# Allegro board RK3588S_Tablet_Demo_LP4XD200P232SD10H2_V11_20220218.brd (continued)
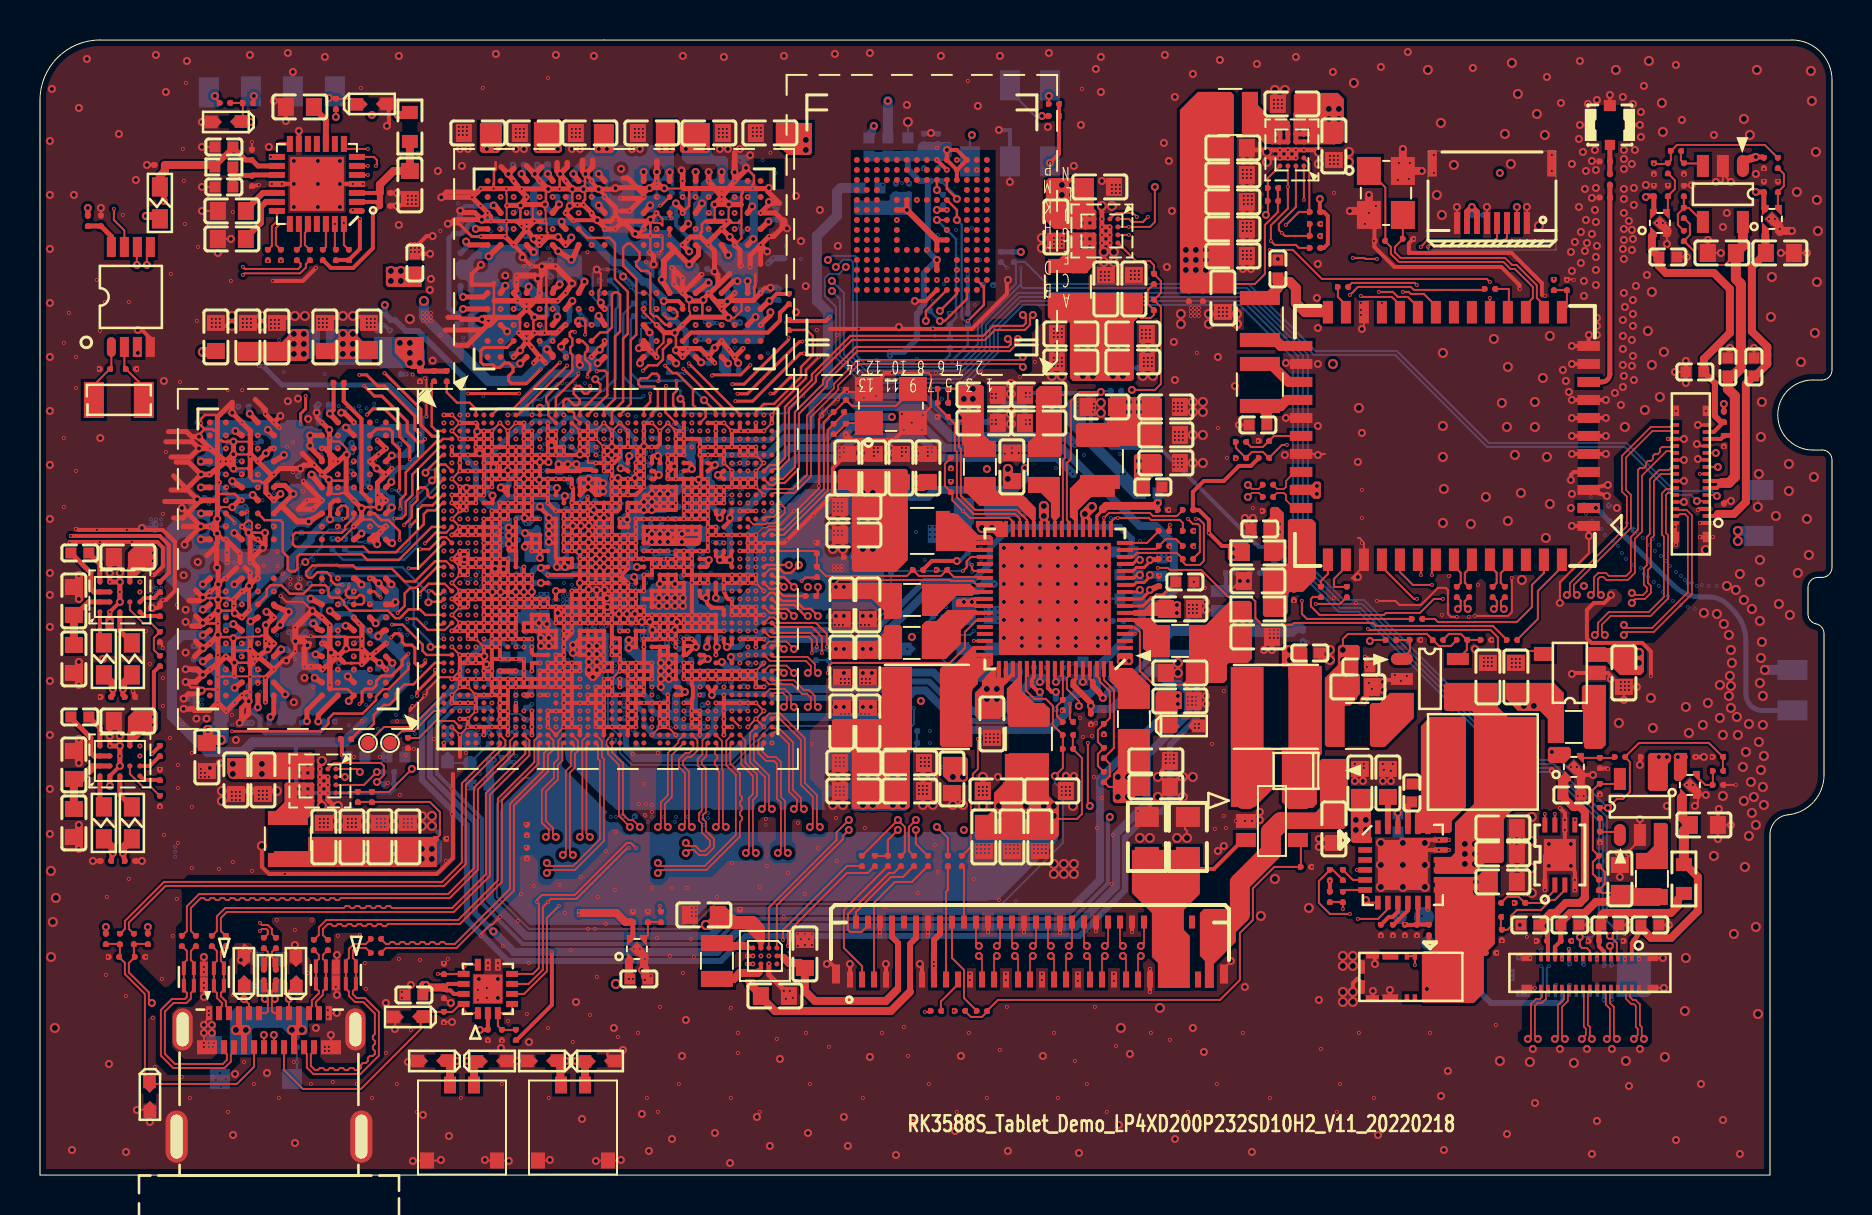
[diagram p0: board, top side]
## Routing (per net, layer and track width the routed paths; a pad name or vN(x,y) marks a point on that pad's centre or on a via; arc(x,y) is an arc through that point) (continued)
MIPI_CSI0_RX_D0N: length 58.9
  TOP w0.084: v5(76.34,29) 76.49,29.15 76.49,29.59 79.34,32.44 79.34,33.92 79.09,34.17 79.09,35.96 80.54,37.41 81.5,37.41 81.59,37.5 J4600.16 ; U1000.AL41 36.49,25.7 38.29,25.7 38.54,25.45 38.54,25.25 v5(38.39,25.1)
  S08 w0.064: v5(76.34,29) 76.49,29.15 76.49,29.3 76.39,29.4 75.73,29.4 75.39,29.07 75.39,28.02 69.53,22.15 42.59,22.15 41.99,22.75 41.99,24.1 41.66,24.44 38.76,24.44 38.49,24.7 38.49,25 v5(38.39,25.1)
MIPI_CSI0_RX_D0P: length 58.8
  TOP w0.084: U1000.AL42 36.64,25.95 36.64,25.93 36.66,25.91 38.38,25.91 38.75,25.54 38.75,25.25 v5(38.89,25.1) ; v5(76.84,29) 76.69,29.15 76.69,29.5 79.54,32.35 79.54,34.01 79.3,34.25 79.3,35.87 80.63,37.2 81.54,37.2 81.59,37.15 J4600.17
  S08 w0.064: v5(76.84,29) 76.71,29.14 76.71,29.39 76.48,29.62 75.64,29.62 75.18,29.16 75.18,28.11 69.44,22.37 42.68,22.37 42.21,22.84 42.21,24.19 41.73,24.67 41.33,24.67 41.24,24.75 41.09,24.75 40.99,24.65 40.84,24.65 40.74,24.75 40.59,24.75 40.49,24.65 40.34,24.65 40.24,24.75 40.09,24.75 39.99,24.65 39.84,24.65 39.74,24.75 39.59,24.75 39.49,24.65 39.34,24.65 39.24,24.75 39.09,24.75 38.99,24.65 38.85,24.65 38.71,24.79 38.71,24.92 v5(38.89,25.1)
MIPI_CSI0_RX_D1N: length 59.5
  TOP w0.084: v5(77.54,29) 77.69,29.15 77.69,29.89 77.91,30.1 78.29,30.1 78.44,29.96 79.31,29.96 79.54,30.19 79.54,31.9 79.89,32.25 79.89,35.25 79.99,35.35 80.19,35.35 80.29,35.45 80.29,35.6 80.39,35.7 80.54,35.7 80.64,35.8 80.64,35.95 80.74,36.05 80.89,36.05 80.99,36.15 80.99,36.3 81.09,36.4 81.7,36.4 J4600.19 ; U1000.AK42 36.67,26.47 37.02,26.47 v5(37.19,26.3)
  S08 w0.064: v5(37.19,26.3) 37.34,26.15 37.34,25.75 37.54,25.55 42.04,25.55 42.69,24.9 42.69,23.1 43.04,22.75 69.25,22.75 74.81,28.31 74.81,29.41 75.55,30.15 77.34,30.15 77.68,29.81 77.68,29.14 v5(77.54,29)
MIPI_CSI0_RX_D1P: length 59.9
  TOP w0.084: v5(78.04,29) 77.9,29.15 77.9,29.8 78,29.9 78.17,29.9 78.32,29.75 79.39,29.75 79.74,30.1 79.74,31.82 80.1,32.17 80.1,34.97 81.32,36.19 81.5,36.19 81.59,36.1 J4600.20 ; U1000.AK41 36.47,26.68 37.32,26.68 v5(37.69,26.3)
  S08 w0.064: v5(37.69,26.3) 37.56,26.17 37.56,25.84 37.63,25.77 42.13,25.77 42.91,24.99 42.91,23.19 43.13,22.97 69.16,22.97 74.59,28.4 74.59,29.5 75.46,30.37 77.43,30.37 77.89,29.9 77.89,29.15 v5(78.04,29)
MIPI_CSI0_RX_D2N: length 57.9
  TOP w0.084: v5(37.19,23.4) 37.34,23.55 37.34,23.9 37.14,24.1 36.69,24.1 U1000.AT42 ; J4600.25 81.59,34.35 81.54,34.3 81.31,34.3 81.09,34.09 81.09,32.02 81.19,31.92 81.19,28.9 80.44,28.15 78.44,28.15 77.89,27.6 77.89,27.15 v5(77.74,27)
  S08 w0.064: v5(77.74,27) 77.56,27.19 77.28,27.19 70.43,20.34 62.43,20.34 62.34,20.25 62.19,20.25 62.09,20.35 61.94,20.35 61.84,20.25 61.69,20.25 61.59,20.35 61.44,20.35 61.34,20.25 61.19,20.25 61.09,20.35 60.94,20.35 60.84,20.25 60.69,20.25 60.59,20.35 60.44,20.35 60.34,20.25 60.19,20.25 60.09,20.35 59.94,20.35 59.84,20.25 59.69,20.25 59.59,20.35 59.44,20.35 59.34,20.25 59.19,20.25 59.09,20.35 58.94,20.35 58.84,20.25 58.69,20.25 58.59,20.35 58.44,20.35 58.34,20.25 58.19,20.25 58.09,20.35 41.34,20.35 40.19,21.5 38.29,21.5 37.39,22.4 37.39,23.2 v5(37.19,23.4)
MIPI_CSI0_RX_D2P: length 57.8
  TOP w0.084: v5(37.69,23.4) 37.54,23.55 37.54,23.99 37.23,24.3 36.49,24.3 U1000.AT41 ; J4600.26 81.64,34 81.55,34.1 81.4,34.1 81.3,34 81.3,32.1 81.4,32 81.4,28.82 80.53,27.95 78.53,27.95 78.1,27.52 78.1,27.15 v5(78.24,27)
  S08 w0.064: v5(78.24,27) 77.84,27.4 77.19,27.4 70.36,20.57 41.43,20.57 40.28,21.72 38.38,21.72 37.61,22.49 37.61,23.29 37.6,23.31 v5(37.69,23.4)
MIPI_CSI0_RX_D3N: length 57.8
  TOP w0.084: v5(38.39,23.4) 38.54,23.55 38.54,23.87 38.36,24.05 38.1,24.05 37.61,24.54 36.46,24.54 U1000.AP41 ; v5(79.19,27) 79.34,27.15 80.69,27.15 82.59,29.05 82.59,32.99 82.33,33.25 82.17,33.25 82.17,33.26 81.96,33.26 81.91,33.3 J4600.28
  S08 w0.064: v5(38.39,23.4) 38.58,23.22 38.58,22.46 38.9,22.14 40.54,22.14 41.74,20.94 70.13,20.94 76.98,27.79 78.1,27.79 78.79,27.1 79.09,27.1 v5(79.19,27)
MIPI_CSI0_RX_D3P: length 57.5
  TOP w0.084: v5(79.19,27.5) 79.34,27.36 80.61,27.36 82.39,29.14 82.39,32.9 82.24,33.05 82.06,33.05 82.06,33.05 81.99,33.05 81.89,32.95 J4600.29 ; U1000.AP42 36.66,24.74 37.7,24.74 38.18,24.25 38.44,24.25 38.74,23.95 38.74,23.55 v5(38.89,23.4)
  S08 w0.064: v5(79.19,27.5) 79.04,27.35 78.84,27.35 78.19,28 76.89,28 70.04,21.15 41.83,21.15 40.63,22.35 39.79,22.35 39.69,22.45 39.69,22.8 39.59,22.9 39.44,22.9 39.34,22.8 39.34,22.45 39.24,22.35 38.99,22.35 38.79,22.55 38.79,23.3 v5(38.89,23.4)
MIPI_D/C_PHY0_VREG: length 0.9
  S03 w0.2: v2(32.69,23.9) 32.79,24 v1(32.99,24)
  S08 w0.2: v3(33.09,24) 32.79,24 v2(32.69,23.9)
  BOTTOM w0.1: 33.14,24.03 C1604.1 v3(33.09,24)
MIPI_D/C_PHY1_VREG: length 2.6
  S03 w0.2: v1(30.59,24) 30.59,23.75 v2(30.14,23.3)
  S08 w0.2: v3(29.64,22.25) 29.64,23.05 29.89,23.3 v2(30.14,23.3)
  BOTTOM w0.2: v3(29.64,22.25) 29.82,22.05 C1612.1
MIPI_DPHY0_RX_CLKN: length 57.1
  TOP w0.084: U1000.BA41 35.92,21.73 35.92,21.49 35.92,21.09 36.31,20.7 36.71,20.7 36.84,20.57 36.84,18.82 37.04,18.62 37.04,16.25 v5(36.89,16.1) ; J4700.22 77.14,9.15 77.19,9.11 77.19,7.42 77.29,7.32 77.29,7 v5(77.09,6.8)
  S08 w0.064: v5(36.89,16.1) 37.04,15.95 37.04,15.67 37.31,15.4 49.39,15.4 50.54,14.25 56.37,14.25 58.19,12.43 58.19,9.43 60.34,7.29 71.33,7.29 72.53,8.49 76,8.49 76.33,8.16 76.33,7.95 76.44,7.84 76.66,7.84 76.79,7.7 76.79,7.49 76.9,7.37 77.12,7.37 77.23,7.26 77.23,6.94 v5(77.09,6.8)
MIPI_DPHY0_RX_CLKP: length 56.3
  TOP w0.084: U1000.BB41 36.12,21.53 36.12,21.48 36.12,21.17 36.39,20.9 36.79,20.9 37.05,20.65 37.05,18.9 37.25,18.7 37.25,16.25 v5(37.39,16.1) ; v5(77.59,6.8) 77.49,6.9 77.49,7.4 77.39,7.5 77.39,9.05 77.49,9.15 J4700.23
  S08 w0.064: v5(37.39,16.1) 37.26,15.97 37.26,15.76 37.4,15.62 49.48,15.62 50.63,14.47 56.46,14.47 58.41,12.52 58.41,12.34 58.41,9.52 60.43,7.5 71.24,7.5 72.44,8.7 76.09,8.7 77.45,7.35 77.45,6.95 v5(77.59,6.8)
MIPI_DPHY0_RX_D0N: length 55.4
  TOP w0.084: J4700.16 75.04,9.15 75.09,9.11 75.09,8.89 75.01,8.8 74.79,8.8 74.54,8.55 74.54,6.95 v5(74.39,6.8) ; v5(35.29,16.1) 35.44,16.25 35.44,18.67 35.44,18.67 35.44,18.84 35.64,19.04 35.64,19.96 35.07,20.53 35.07,21.53 U1000.BB38
  S08 w0.064: v5(74.39,6.8) 74.58,6.99 74.58,7.08 74.48,7.19 74.13,7.19 73.97,7.03 73.81,7.03 73.66,7.19 73.41,7.19 72.33,6.1 59.57,6.1 56.99,8.68 56.99,11.85 55.79,13.05 49.99,13.05 48.86,14.19 36.81,14.19 35.44,15.55 35.44,15.95 v5(35.29,16.1)
MIPI_DPHY0_RX_D0P: length 55.7
  TOP w0.084: U1000.BA38 35.27,21.73 35.27,20.62 35.84,20.04 35.84,18.95 35.65,18.76 35.65,16.25 v5(35.79,16.1) ; J4700.17 75.39,9.2 75.29,9.1 75.29,8.8 75.09,8.6 74.88,8.6 74.75,8.47 74.75,6.95 v5(74.89,6.8)
  S08 w0.064: v5(74.89,6.8) 74.8,6.9 74.8,6.9 74.8,7.17 74.57,7.4 73.32,7.4 72.24,6.32 59.66,6.32 57.21,8.77 57.21,11.94 55.88,13.27 50.08,13.27 48.95,14.4 36.9,14.4 35.66,15.64 35.66,15.97 v5(35.79,16.1)
MIPI_DPHY0_RX_D1N: length 56.7
  TOP w0.084: v5(36.09,18.3) 36.24,18.45 36.24,19.9 35.49,20.65 35.49,22.1 U1000.AY40 ; v5(75.74,6.8) 75.89,6.95 75.89,8.49 76.19,8.79 76.19,9.1 76.09,9.2 J4700.19
  S08 w0.064: v5(75.74,6.8) 75.88,6.94 75.88,7.6 75.64,7.84 72.98,7.84 71.83,6.69 59.94,6.69 57.59,9.03 57.59,12.2 56.14,13.65 50.29,13.65 49.16,14.79 37.06,14.79 36.29,15.55 36.29,18.1 v5(36.09,18.3)
MIPI_DPHY0_RX_D1P: length 56.4
  TOP w0.084: J4700.20 76.4,9.26 76.4,8.71 76.1,8.41 76.1,6.95 v5(76.24,6.8) ; U1000.BA40 35.7,21.91 35.7,20.73 36.45,19.98 36.45,18.45 v5(36.59,18.3)
  S08 w0.064: v5(76.24,6.8) 76.09,6.95 76.09,7.69 75.73,8.05 72.89,8.05 71.74,6.9 60.03,6.9 59.91,7.02 59.91,7.23 59.8,7.34 59.59,7.34 59.47,7.46 59.47,7.67 59.36,7.79 59.14,7.79 57.81,9.12 57.81,12.29 56.23,13.87 50.38,13.87 49.25,15 37.15,15 36.51,15.64 36.51,18.19 36.5,18.21 v5(36.59,18.3)
MIPI_DPHY0_RX_D2N: length 57
  TOP w0.084: v5(78.34,6.8) 78.49,6.95 78.49,8.32 78.29,8.52 78.29,9.07 78.19,9.17 J4700.25 ; U1000.BA42 36.72,22.13 36.87,22.13 37.44,21.56 37.44,19.17 37.84,18.77 37.84,18.45 v5(37.69,18.3)
  S08 w0.064: v5(78.34,6.8) 78.48,6.94 78.48,7.41 76.85,9.04 72.08,9.04 70.93,7.89 60.66,7.89 58.78,9.77 58.78,12.77 56.69,14.85 53.16,14.85 52.01,16 38.29,16 37.83,16.46 37.83,18.17 v5(37.69,18.3)
MIPI_DPHY0_RX_D2P: length 57.3
  TOP w0.084: v5(78.84,6.8) 78.7,6.95 78.7,8.4 78.49,8.6 78.49,9.1 78.54,9.15 J4700.26 ; U1000.AY42 36.66,22.33 36.96,22.33 37.65,21.64 37.65,19.25 38.05,18.85 38.05,18.45 v5(38.19,18.3)
  S08 w0.064: v5(38.19,18.3) 38.04,18.15 38.04,16.55 38.38,16.22 52.1,16.22 53.25,15.07 56.78,15.07 58.99,12.86 58.99,12.68 58.99,9.86 60.75,8.1 70.84,8.1 71.99,9.25 76.94,9.25 78.69,7.5 78.69,6.95 v5(78.84,6.8)
MIPI_DPHY0_RX_D3N: length 56.6
  TOP w0.084: v5(38.49,17.4) 38.64,17.55 38.64,18.92 38.04,19.52 38.04,21.76 36.92,22.88 36.67,22.88 U1000.AW42 ; v5(79.69,6.8) 79.88,6.99 79.88,7.31 79.79,7.4 79.79,8.45 79.69,8.55 79.56,8.55 79.29,8.82 79.29,9.11 79.24,9.15 J4700.28
  S08 w0.064: v5(79.69,6.8) 79.79,6.9 79.79,7.65 77.79,9.65 64.96,9.65 62.81,11.8 60.59,11.8 56.94,15.45 53.44,15.45 52.29,16.6 44.24,16.6 44.14,16.5 43.99,16.5 43.89,16.6 43.74,16.6 43.64,16.5 43.49,16.5 43.39,16.6 43.24,16.6 43.14,16.5 42.99,16.5 42.89,16.6 42.74,16.6 42.64,16.5 42.49,16.5 42.39,16.6 42.24,16.6 42.14,16.5 41.99,16.5 41.89,16.6 41.74,16.6 41.64,16.5 41.49,16.5 41.39,16.6 41.24,16.6 41.14,16.5 40.99,16.5 40.89,16.6 38.86,16.6 38.63,16.84 38.63,17.27 v5(38.49,17.4)
MIPI_DPHY0_RX_D3P: length 56.9
  TOP w0.084: v5(80.19,6.8) 80.09,6.91 80.09,7.39 79.99,7.49 79.99,8.54 79.77,8.76 79.64,8.76 79.49,8.9 79.49,9.1 79.59,9.2 J4700.29 ; U1000.AW41 36.47,23.08 37.01,23.08 38.24,21.84 38.24,19.6 38.84,19 38.84,17.55 v5(38.99,17.4)
  S08 w0.064: v5(38.99,17.4) 38.84,17.25 38.84,16.93 38.95,16.82 52.38,16.82 53.53,15.67 57.03,15.67 60.68,12.02 62.9,12.02 65.05,9.87 77.88,9.87 80.01,7.74 80.01,6.99 v5(80.19,6.8)
MIPI_DPHY0_TX_CLKN: length 28.4
  TOP w0.084: U1000.BA34 33.12,21.73 33.12,21.03 32.88,20.8 32.88,20.47 33.09,20.26 33.09,18.23 32.94,18.09 32.94,17.72 33.09,17.57 33.09,17.12 33.49,16.72 33.49,16.45 33.24,16.2 33.03,16.2 32.78,16.45 32.44,16.45 v5(32.29,16.6) ; 48.6,12.65 48.6,11.6 v5(48.74,11.45)
  S08 w0.064: v5(48.74,11.45) 48.69,11.4 48.6,11.4 48.41,11.59 48.41,12.37 48.18,12.6 48.02,12.6 47.86,12.76 47.7,12.76 47.55,12.6 35.98,12.6 32.89,15.69 32.89,16.26 32.7,16.45 32.44,16.45 v5(32.29,16.6)
MIPI_DPHY0_TX_CLKP: length 28.2
  TOP w0.084: J5500.29 48.9,10.8 v5(48.74,10.95) ; v5(32.29,16.1) 32.44,16.25 32.69,16.25 32.94,16 33.33,16 33.7,16.37 33.7,16.8 33.3,17.2 33.3,17.65 33.15,17.8 33.15,18 33.29,18.15 33.29,20.34 33.09,20.55 33.09,20.71 33.32,20.95 33.32,21.53 U1000.BB34
  S08 w0.064: v5(48.74,10.95) 48.19,11.5 48.19,12.28 48.09,12.39 35.89,12.39 32.68,15.6 32.68,16.17 32.61,16.24 32.43,16.24 v5(32.29,16.1)
MIPI_DPHY0_TX_D0N: length 28
  TOP w0.084: J5500.25 47.7,10.81 v5(47.84,10.95) ; v5(30.89,17.4) 31.04,17.55 31.04,18.64 31.39,18.99 31.39,21.09 31.39,21.09 31.39,21.1 31.92,21.63 31.92,21.73 U1000.BA31
  S08 w0.064: v5(47.84,10.95) 47.44,11.36 47.44,11.55 47.2,11.79 35.55,11.79 31.2,16.14 30.49,16.14 30.28,16.35 30.28,16.76 30.49,16.97 30.95,16.97 31.03,17.04 31.03,17.27 v5(30.89,17.4)
MIPI_DPHY0_TX_D0P: length 28
  TOP w0.084: v5(31.39,17.4) 31.24,17.55 31.24,18.55 31.59,18.9 31.59,21 U1000.BB31 ; 48,12.65 48,11.61 v5(47.84,11.45)
  S08 w0.064: v5(47.84,11.45) 47.8,11.4 47.7,11.4 47.65,11.45 47.65,11.64 47.29,12 47.11,12 46.96,12.16 46.78,12.16 46.63,12 46.45,12 46.3,12.16 46.12,12.16 45.96,12 45.78,12 45.63,12.16 45.45,12.16 45.3,12 45.12,12 44.97,12.16 44.79,12.16 44.63,12 44.45,12 44.3,12.16 44.12,12.16 43.97,12 43.79,12 43.64,12.16 43.46,12.16 43.31,12 43.13,12 42.97,12.16 42.79,12.16 42.64,12 35.64,12 31.29,16.35 30.58,16.35 30.49,16.44 30.49,16.67 30.58,16.75 31.04,16.75 31.24,16.95 31.24,17.25 v5(31.39,17.4)
MIPI_DPHY0_TX_D1N: length 27.2
  TOP w0.084: U1000.BB32 32.67,21.53 32.67,21.3 32.47,21.1 32.27,21.1 31.94,20.77 31.94,20.41 32.24,20.1 32.24,17.55 v5(32.09,17.4) ; J5500.31 49.5,10.81 v5(49.64,10.95)
  S08 w0.064: v5(49.64,10.95) 49.09,11.5 49.09,12.2 48.29,13 36.19,13 33.34,15.85 33.34,16.67 32.96,17.05 32.44,17.05 v5(32.09,17.4)
MIPI_DPHY0_TX_D1P: length 27.7
  TOP w0.084: v5(49.64,11.45) 49.8,11.61 49.8,12.65 ; U1000.BA32 32.87,21.73 32.87,21.62 32.87,21.61 32.87,21.22 32.55,20.9 32.35,20.9 32.14,20.69 32.14,20.49 32.45,20.19 32.45,17.55 v5(32.59,17.4)
  S08 w0.064: v5(49.64,11.45) 49.31,11.79 49.31,12.29 48.38,13.22 44.7,13.22 44.55,13.37 44.39,13.37 44.24,13.22 44.08,13.22 43.92,13.37 43.76,13.37 43.61,13.22 43.45,13.22 43.3,13.37 43.14,13.37 42.99,13.22 42.83,13.22 42.67,13.37 42.51,13.37 42.36,13.22 42.2,13.22 42.05,13.37 41.89,13.37 41.74,13.22 41.58,13.22 41.43,13.37 41.27,13.37 41.11,13.22 36.28,13.22 33.56,15.94 33.56,16.76 33.05,17.27 32.66,17.27 32.59,17.33 v5(32.59,17.4)
MIPI_DPHY0_TX_D2N: length 27.1
  TOP w0.084: v5(50.54,11.45) 50.4,11.6 50.4,12.65 ; U1000.BB35 33.87,21.53 33.87,21.35 33.74,21.23 33.74,21.08 33.87,20.95 33.87,20.83 33.74,20.7 33.74,20.53 33.87,20.4 33.87,20.24 33.94,20.16 33.94,17.55 v5(33.79,17.4)
  S08 w0.064: v5(50.54,11.45) 50.88,11.79 50.88,12.1 50.59,12.39 49.74,12.39 48.54,13.59 48.23,13.59 48.07,13.43 47.91,13.43 47.76,13.59 47.6,13.59 47.45,13.43 47.29,13.43 47.14,13.59 46.98,13.59 46.82,13.43 46.66,13.43 46.51,13.59 46.35,13.59 46.2,13.43 46.04,13.43 45.89,13.59 45.73,13.59 45.57,13.43 45.41,13.43 45.26,13.59 36.49,13.59 34.63,15.45 34.63,16.21 33.93,16.91 33.93,17.27 v5(33.79,17.4)
MIPI_DPHY0_TX_D2P: length 27.4
  TOP w0.084: U1000.BA35 34.09,21.7 34.09,20.3 34.15,20.25 34.15,17.55 v5(34.29,17.4) ; v5(50.54,10.95) 50.7,10.8 J5500.35
  S08 w0.064: v5(34.29,17.4) 34.14,17.25 34.14,17 34.84,16.3 34.84,15.54 36.58,13.8 48.63,13.8 49.83,12.6 50.68,12.6 51.09,12.19 51.09,11.5 v5(50.54,10.95)
MIPI_DPHY0_TX_D3N: length 29.6
  TOP w0.084: v5(30.89,15.6) 31.04,15.46 33.24,15.46 34.79,17 34.79,20.01 34.32,20.48 34.32,21.72 U1000.BA37 ; v5(46.94,11.45) 46.8,11.6 46.8,12.65
  S08 w0.064: v5(46.94,11.45) 46.79,11.3 46.54,11.3 46.29,11.05 45.24,11.05 44.99,11.3 44.81,11.3 44.66,11.46 44.48,11.46 44.33,11.3 44.15,11.3 44,11.46 43.82,11.46 43.66,11.3 43.48,11.3 43.33,11.46 43.15,11.46 43,11.3 35.48,11.3 31.33,15.45 31.04,15.45 v5(30.89,15.6)
MIPI_DPHY0_TX_D3P: length 29.3
  TOP w0.084: v5(46.94,10.95) 47.1,10.8 J5500.23 ; v5(30.89,15.1) 31.04,15.25 33.33,15.25 34.99,16.92 34.99,17.65 35.09,17.75 35.09,17.9 34.99,18 34.99,18.15 35.09,18.25 35.09,18.4 34.99,18.5 34.99,18.65 35.09,18.75 35.09,18.9 34.99,19 34.99,20.09 34.52,20.57 34.52,21.53 U1000.BB37
  S08 w0.064: v5(30.89,15.1) 31.03,15.24 31.24,15.24 35.39,11.09 44.9,11.09 45.15,10.84 46.38,10.84 46.63,11.09 46.81,11.09 v5(46.94,10.95)
MIPI_DPHY1_TX_CLKN: length 45.9
  TOP w0.084: J5500.43 53.1,10.81 v5(53.24,10.95) ; U1000.BA19 27.12,21.73 27.12,17.03 v5(26.99,16.9)
  S08 w0.064: v5(26.99,16.9) 27.14,16.75 27.14,16.52 27.43,16.24 28.13,16.24 28.19,16.17 28.19,15.99 28.11,15.9 27.84,15.9 27.64,15.7 27.64,15.25 35.15,7.74 47.28,7.74 47.46,7.74 47.69,7.97 47.69,8.52 47.76,8.59 47.89,8.59 47.96,8.52 47.96,8.12 47.96,7.94 48.16,7.74 48.31,7.74 48.49,7.74 48.69,7.94 48.69,8.52 48.76,8.59 48.89,8.59 48.96,8.52 48.96,8.12 48.96,7.94 49.16,7.74 49.31,7.74 49.49,7.74 49.69,7.94 49.69,8.52 49.76,8.59 49.89,8.59 49.96,8.52 49.96,8.12 49.96,7.94 50.16,7.74 50.33,7.74 50.51,7.74 50.71,7.94 50.71,8.52 50.79,8.6 50.94,8.6 51.04,8.5 51.04,7.95 51.05,7.95 51.05,7.93 51.24,7.74 51.55,7.74 51.76,7.95 51.76,8.13 51.76,8.8 52.91,9.95 52.91,10.6 53.11,10.8 53.11,10.82 v5(53.24,10.95)
MIPI_DPHY1_TX_CLKP: length 45.3
  TOP w0.084: v5(27.49,16.9) 27.32,17.07 27.32,21.53 U1000.BB19 ; 53.4,12.65 53.4,11.61 v5(53.24,11.45)
  S08 w0.064: v5(53.24,11.45) 52.89,11.1 52.89,10.89 52.69,10.69 52.69,10.04 51.54,8.89 51.54,8.04 51.46,7.95 51.33,7.95 51.26,8.02 51.26,8.59 51.03,8.82 50.7,8.82 50.49,8.61 50.49,8.03 50.42,7.95 50.25,7.95 50.17,8.03 50.17,8.61 49.98,8.8 49.67,8.8 49.47,8.61 49.47,8.03 49.4,7.95 49.25,7.95 49.17,8.03 49.17,8.61 48.98,8.8 48.67,8.8 48.47,8.61 48.47,8.03 48.4,7.95 48.25,7.95 48.17,8.03 48.17,8.61 47.98,8.8 47.67,8.8 47.47,8.61 47.47,8.06 47.37,7.95 35.24,7.95 27.86,15.34 27.86,15.61 27.93,15.69 28.2,15.69 28.41,15.9 28.41,16.26 28.22,16.45 28.2,16.45 28.19,16.45 27.52,16.45 27.36,16.61 27.36,16.77 v5(27.49,16.9)
MIPI_DPHY1_TX_D0N: length 45.7
  TOP w0.084: U1000.BA16 25.92,21.73 25.92,21.62 25.92,21.61 25.92,20.81 25.69,20.59 25.69,19.85 25.09,19.25 25.09,17.62 25.44,17.27 25.44,17.05 v5(25.29,16.9) ; 52.2,12.65 52.2,11.6 v5(52.34,11.45)
  S08 w0.064: v5(25.29,16.9) 25.39,17 25.39,17.3 25.84,17.75 28.48,17.75 28.99,17.24 28.99,15.26 35.68,8.57 43.22,8.57 44.07,9.42 44.38,9.42 44.59,9.21 44.59,9.03 44.59,8.63 44.66,8.57 44.79,8.57 44.86,8.63 44.86,9.23 45.07,9.44 45.38,9.44 45.59,9.23 45.59,9.05 45.59,8.63 45.66,8.57 45.79,8.57 45.86,8.63 45.86,9.23 46.07,9.44 46.25,9.44 46.38,9.44 46.57,9.25 46.57,8.63 46.63,8.57 46.79,8.57 46.86,8.63 46.86,9.21 47.07,9.42 51.23,9.42 51.79,9.99 51.79,11.13 51.99,11.33 52.22,11.33 v5(52.34,11.45)
MIPI_DPHY1_TX_D0P: length 45.4
  TOP w0.084: J5500.41 52.5,10.8 v5(52.34,10.95) ; v5(25.79,16.9) 25.64,17.05 25.64,17.35 25.29,17.7 25.29,19.17 25.89,19.77 25.89,20.5 26.12,20.73 26.12,21.53 U1000.BB16
  S08 w0.064: v5(52.34,10.95) 52.34,11.05 52.28,11.11 52.08,11.11 52.01,11.04 52.01,9.9 51.32,9.2 47.16,9.2 47.07,9.12 47.07,8.55 46.88,8.35 46.54,8.35 46.36,8.54 46.36,9.16 46.29,9.23 46.16,9.23 46.07,9.15 46.07,8.55 45.88,8.35 45.57,8.35 45.37,8.55 45.37,9.14 45.29,9.23 45.16,9.23 45.07,9.15 45.07,8.55 44.88,8.35 44.57,8.35 44.37,8.55 44.37,9.12 44.29,9.2 44.16,9.2 43.31,8.35 35.59,8.35 28.78,15.17 28.78,16.48 28.63,16.63 28.63,16.81 28.78,16.97 28.78,17.15 28.39,17.54 27.93,17.54 27.78,17.38 27.6,17.38 27.44,17.54 27.26,17.54 27.11,17.38 26.93,17.38 26.78,17.54 26.6,17.54 26.45,17.38 26.27,17.38 26.11,17.54 25.93,17.54 25.61,17.21 25.61,17.09 v5(25.79,16.9)
MIPI_DPHY1_TX_D1N: length 46
  TOP w0.084: U1000.BB17 26.69,21.51 26.69,21.29 26.54,21.14 26.54,20.45 26.29,20.2 26.29,16.15 v5(26.14,16) ; v5(54.14,11.45) 54,11.6 54,12.65
  S08 w0.064: v5(26.14,16) 26.28,15.87 26.28,15.62 34.76,7.14 52.07,7.14 52.56,7.62 52.56,7.9 52.31,8.16 52.31,8.25 52.4,8.35 52.5,8.35 52.71,8.14 53.03,8.14 53.22,8.33 53.22,8.65 52.86,9.02 52.86,9.11 52.96,9.21 53.05,9.21 53.37,8.89 53.64,8.89 53.88,9.13 53.88,9.41 53.51,9.78 53.51,9.9 53.59,9.99 53.68,9.99 54.13,9.54 54.44,9.54 54.71,9.82 54.71,10.69 54.48,10.93 54.48,11.12 v5(54.14,11.45)
MIPI_DPHY1_TX_D1P: length 46.4
  TOP w0.084: J5500.47 54.3,10.8 v5(54.14,10.95) ; v5(26.64,16) 26.49,16.15 26.49,20.12 26.74,20.37 26.74,21.05 26.89,21.2 26.89,21.7 U1000.BA17
  S08 w0.064: v5(26.64,16) 26.49,15.85 26.49,15.71 26.73,15.48 26.94,15.48 27.07,15.35 27.07,15.13 27.2,15.01 27.41,15.01 27.54,14.88 27.54,14.66 27.67,14.54 27.88,14.54 28.01,14.41 28.01,14.19 28.14,14.07 28.35,14.07 28.48,13.94 28.48,13.72 28.61,13.6 28.82,13.6 28.95,13.47 28.95,13.25 29.08,13.13 29.29,13.13 29.42,13 29.42,12.78 29.55,12.66 30.02,12.19 30.49,11.72 30.83,11.37 30.96,11.25 34.85,7.35 49.32,7.35 49.48,7.51 49.66,7.51 49.81,7.35 49.99,7.35 50.14,7.51 50.32,7.51 50.47,7.35 50.65,7.35 50.81,7.51 50.99,7.51 51.14,7.35 51.32,7.35 51.47,7.51 51.65,7.51 51.8,7.35 51.98,7.35 52.34,7.71 52.34,7.82 52.09,8.07 52.09,8.34 52.31,8.56 52.59,8.56 52.8,8.35 52.9,8.35 53.01,8.46 53.01,8.56 52.65,8.93 52.65,9.2 52.87,9.42 53.14,9.42 53.46,9.1 53.55,9.1 53.67,9.22 53.67,9.32 53.29,9.69 53.29,10.01 53.49,10.2 53.77,10.2 54.22,9.76 54.35,9.76 54.49,9.91 54.49,10.6 v5(54.14,10.95)
MIPI_DPHY1_TX_D2N: length 47.2
  TOP w0.084: v5(25.34,15.6) 25.49,15.45 26.66,15.45 27.99,16.79 27.99,20.72 27.89,20.82 27.89,21.5 U1000.BB20 ; v5(55.04,10.95) 54.9,10.81 J5500.49
  S08 w0.064: v5(25.34,15.6) 25.49,15.45 25.75,15.45 25.98,15.23 26.19,15.23 26.32,15.1 26.32,14.88 26.45,14.76 26.66,14.76 26.79,14.63 26.79,14.41 26.92,14.29 27.13,14.29 27.26,14.16 27.26,13.94 27.39,13.82 27.6,13.82 27.73,13.69 27.73,13.47 27.86,13.35 28.07,13.35 28.2,13.22 28.2,13 28.33,12.88 28.54,12.88 28.67,12.75 28.67,12.53 28.8,12.41 29.01,12.41 29.14,12.28 29.14,12.06 29.27,11.94 29.74,11.47 30.21,11 34.45,6.75 48.13,6.75 48.28,6.91 48.46,6.91 48.61,6.75 48.79,6.75 48.94,6.91 49.12,6.91 49.28,6.75 49.46,6.75 49.61,6.91 49.79,6.91 49.94,6.75 50.12,6.75 50.27,6.91 50.45,6.91 50.61,6.75 50.79,6.75 50.94,6.91 51.12,6.91 51.27,6.75 51.45,6.75 51.6,6.91 51.78,6.91 51.94,6.75 52.14,6.75 55.39,10 55.39,10.6 v5(55.04,10.95)
MIPI_DPHY1_TX_D2P: length 47.3
  TOP w0.084: U1000.BA20 28.09,21.7 28.09,21.59 28.1,21.59 28.1,20.9 28.2,20.8 28.2,16.7 26.75,15.25 25.49,15.25 v5(25.34,15.1) ; v5(55.04,11.45) 55.2,11.61 55.2,12.65
  S08 w0.064: v5(25.34,15.1) 25.48,15.24 25.66,15.24 34.36,6.54 52.23,6.54 55.61,9.91 55.61,10.89 v5(55.04,11.45)
MIPI_DPHY1_TX_D3N: length 45.4
  TOP w0.084: v5(29.49,17.4) 28.94,17.95 28.94,20.5 28.39,21.05 28.39,21.43 28.33,21.49 28.33,21.71 28.39,21.78 28.39,21.8 U1000.BA22 ; J5500.37 51.3,10.81 v5(51.44,10.95)
  S08 w0.064: v5(51.44,10.95) 51.25,10.95 51.11,10.81 51.11,10.14 51.11,9.96 50.93,9.79 43.53,9.79 43.46,9.71 43.46,9.32 43.46,9.14 43.26,8.94 43.11,8.94 42.93,8.94 42.73,9.14 42.73,9.77 42.66,9.84 42.53,9.84 42.44,9.76 42.44,9.15 42.39,9.09 42.39,9 42.32,8.94 41.93,8.94 41.73,9.14 41.73,9.77 41.66,9.84 41.5,9.84 41.44,9.78 41.44,9.13 41.25,8.94 40.93,8.94 40.73,9.14 40.73,9.77 40.66,9.84 40.53,9.84 40.46,9.77 40.46,9.14 40.26,8.94 39.93,8.94 39.73,9.14 39.73,9.77 39.66,9.84 39.53,9.84 39.46,9.77 39.46,9.32 39.46,9.14 39.26,8.94 38.93,8.94 38.73,9.14 38.73,9.77 38.66,9.84 38.53,9.84 38.46,9.77 38.46,9.32 38.46,9.14 38.26,8.94 37.93,8.94 37.73,9.14 37.73,9.77 37.66,9.84 37.53,9.84 37.46,9.77 37.46,9.32 37.46,9.14 37.26,8.94 36.93,8.94 36.73,9.14 36.73,9.77 36.66,9.84 36.48,9.84 36.36,9.71 36.36,9.44 36.36,9.26 36.13,9.04 35.84,9.04 35.53,9.35 35.53,9.9 35.44,9.99 35.02,9.99 34.84,9.99 29.63,15.2 29.63,17.27 v5(29.49,17.4)
MIPI_DPHY1_TX_D3P: length 44.9
  TOP w0.084: U1000.BB22 28.61,21.6 28.6,21.6 28.6,21.14 29.15,20.59 29.15,18.04 29.43,17.75 29.64,17.75 v5(29.99,17.4) ; 51.6,12.65 51.6,11.61 v5(51.44,11.45)
  S08 w0.064: v5(29.99,17.4) 29.84,17.25 29.84,15.29 30.34,14.79 30.49,14.79 30.63,14.65 30.63,14.5 34.93,10.2 35.53,10.2 35.74,9.99 35.74,9.44 35.93,9.25 36.04,9.25 36.14,9.35 36.14,9.8 36.39,10.05 36.75,10.05 36.94,9.86 36.94,9.23 37.02,9.15 37.17,9.15 37.24,9.23 37.24,9.86 37.44,10.05 37.75,10.05 37.94,9.86 37.94,9.23 38.02,9.15 38.17,9.15 38.24,9.23 38.24,9.86 38.44,10.05 38.75,10.05 38.94,9.86 38.94,9.23 39.02,9.15 39.17,9.15 39.24,9.23 39.24,9.86 39.44,10.05 39.75,10.05 39.94,9.86 39.94,9.23 40.02,9.15 40.17,9.15 40.24,9.23 40.24,9.86 40.44,10.05 40.75,10.05 40.94,9.86 40.94,9.23 41.02,9.15 41.16,9.15 41.23,9.22 41.23,9.87 41.41,10.05 41.75,10.05 41.94,9.86 41.94,9.23 42.02,9.15 42.15,9.15 42.23,9.23 42.23,9.84 42.44,10.05 42.75,10.05 42.94,9.86 42.94,9.23 43.02,9.15 43.17,9.15 43.24,9.23 43.24,9.8 43.44,10 50.84,10 50.89,10.05 50.89,10.9 v5(51.44,11.45)
MIPI_TE0: length 19
  TOP w0.1: R5511.1 46.54,16.4 46.54,19.7 46.64,19.8 46.64,20.05 46.89,20.3 v1(46.89,21.8)
  S03 w0.1: v1(35.79,23.2) 35.89,23.1 35.89,22.87 36.29,22.47 36.29,21.65 36.54,21.4 36.55,21.4 36.73,21.23 36.75,21.23 36.78,21.2 38.79,21.2 39.39,21.8 v1(46.89,21.8)
OTG0_REXT: length 1.6
  S03 w0.1: v2(22.19,23.6) v1(22.59,23.6)
  S08 w0.1: v3(21.94,24.35) 21.94,23.85 v2(22.19,23.6)
  BOTTOM w0.1: R1404.1 21.79,24.5 v3(21.94,24.35)
PCIE20_0_REFCLKN: length 35
  TOP w0.084: v5(60.39,34.5) 60.59,34.31 60.94,34.31 C6322.2 ; U1000.K41 36.29,34.3 37.64,34.3 38.27,34.94 38.35,35.01 38.35,37.98 39.7,39.33 39.7,39.56 40.89,40.76 49,40.76 v5(49.14,40.9)
  S08 w0.064: v5(49.14,40.9) 49.24,40.8 57.3,40.8 59.39,38.71 59.39,34.61 59.68,34.32 60.21,34.32 v5(60.39,34.5)
PCIE20_0_REFCLKP: length 34.9
  TOP w0.084: C6321.2 60.94,34.1 60.59,34.1 v5(60.39,33.9) ; v5(49.14,40.4) 48.99,40.55 40.98,40.55 39.9,39.48 39.9,39.25 38.55,37.9 38.55,34.93 38.48,34.85 37.72,34.1 36.69,34.1 U1000.L42
  S08 w0.064: v5(60.39,33.9) 60.19,34.1 59.59,34.1 59.18,34.52 59.18,38.62 57.21,40.59 50.74,40.59 50.58,40.43 50.4,40.43 50.25,40.59 50.04,40.59 49.88,40.43 49.7,40.43 49.55,40.59 49.33,40.59 v5(49.14,40.4)
PCIE20_0_RXN: length 56.9
  TOP w0.107: U1000.J41 36.49,34.5 36.69,34.5 36.79,34.6 37.23,34.6 37.95,35.32 37.95,38.07 39.35,39.47 39.35,39.67 40.88,41.2 48.49,41.2 48.74,41.45 48.74,41.65 v5(48.89,41.8) ; C6241.2 72.84,28.69 72.84,28.45 v5(72.69,28.3)
  S08 w0.076: v5(48.89,41.8) 48.74,41.95 48.74,43.75 49.39,44.4 60.54,44.4 61.19,43.75 61.19,35.42 65.66,30.95 70.91,30.95 72.84,29.02 72.84,28.45 v5(72.69,28.3)
PCIE20_0_RXP: length 56.8
  TOP w0.107: v5(73.19,28.3) 73.05,28.45 73.05,28.71 C6240.2 ; U1000.J42 37.14,34.8 37.74,35.4 37.74,38.15 39.15,39.56 39.15,39.76 40.79,41.4 48.4,41.4 48.54,41.54 48.54,41.66 v5(48.39,41.8)
  S08 w0.076: v5(73.19,28.3) 73.04,28.45 73.04,29.1 70.99,31.15 65.73,31.15 61.39,35.49 61.39,43.84 60.63,44.6 49.31,44.6 48.54,43.84 48.54,43.5 48.44,43.4 48.44,43.2 48.54,43.1 48.54,42.95 48.44,42.85 48.44,42.7 48.54,42.6 48.54,41.95 v5(48.39,41.8)